# KiCad board Rogelio Pineda part 9-AMLDC-2044B.kicad_pcb (continued)
## Routing (per net, layer and track width the routed paths; a pad name or vN(x,y) marks a point on that pad's centre or on a via; arc(x,y) is an arc through that point) (continued)
U4p10: length 144.2
  Top w0.15: 275.61,53.46 275.61,54.58 275.53,55.81 275.5,55.78 275.49,57.88 275.52,58.77 275.52,59.59 275.55,63.28 275.52,67.29 275.18,68.51 274.61,69.42 273.73,70.4 273.33,70.78 272.99,71.13 272.95,71.51 272.79,71.67 ; 275.61,53.36 275.7,52.18 275.89,51.98 276.44,50.96 277.19,50.03 277.85,48.8 277.85,48.33 278.08,48.11 277.92,44.75 276.97,44.14 275.51,44.35 274.68,44.95 274.51,45.25 274.27,45.71 274.16,46.4 274.41,47.18 ; 271.92,73.92 271.74,72.78 272.33,72.09 272.79,71.67 ; 271.92,73.92 271.74,73.75 UV4.10 272.6,71.67 272.79,71.67 ; 271.92,73.92 271.97,74.28 272.14,75 272.51,76.9 272.52,77.29 272.92,80.42 272.92,82.21 273,82.93 273,84.13 273.08,86.38 273.09,87.54 273.07,94.28 272.74,95.39 271.87,97.04
  Bottom w0.15: UW5.12 308.35,53.94 307.68,53.06 306.07,51.89 305.48,51.67 304.56,51.45 299.28,51.23 298.03,51.15 296.11,50.91 295.03,50.74 294.06,50.63 292.24,50.53 291.44,50.53 288.93,50.58 287.7,50.61 286.96,50.56 286.16,50.43 285.5,50.18 284.89,49.81 283.91,49.08 282.98,48.02 282.38,47.29 281.9,46.62 280.92,45.59 280.3,44.97 279.19,44.2 277.49,43.88 276.22,43.93 274.54,44.74 274,45.69 274.41,47.18 273.48,47.55 271.73,49.15 268.92,49.82 267.76,50.18 266.03,50.76 262.88,51.11 259.55,50.96 254.76,51.56 253.06,52.18 251.07,53.15 249.53,54.06 247.94,55.23 245.91,56.74 244.94,57.11 243.29,57.25 242.05,58.14 241.52,58.05 240.53,57.36 239.9,56.74 UW3.10
U5p2: length 17
  Top w0.2: UU5.2 300.25,88.08 299.84,87.36 299.37,85.74 299.23,84.73 299.36,82.82 299.37,81.63 300.11,77.18 300.37,75.73 300.7,74.16 300.7,73.55 UV5.15
U5p3: length 23
  Top w0.2: UU5.3 302.96,88 302.56,87.28 302.04,86.32 301.77,85.87 301.5,85.22 301.3,84.7 301.23,83.96 301.53,82.57 302.11,81.69 302.1,81.6 302.46,81.18 302.94,80.85 303.52,80.23 304.74,79.34 305.83,78.75 306.54,78.27 306.59,78.28 307.2,77.94 307.68,77.63 308.21,77.36 308.65,77.07 309.64,76.24 310.27,75.65 312.02,74.22 312.16,74.05 313.01,73.52 313.01,72.79 UV5.10
U5p4: length 526.7
  Top w0.15: v1(335.76,250.33) 335.55,251.5 335.45,251.98 335.36,252.25 335.51,282.51 335.24,294.59 335.55,297.86 335.87,298.56 336.04,299.78 336.18,300.12 336.29,301.43 336.39,301.85 336.54,302.56 336.75,303.47 336.88,304.23 336.99,305.33 336.99,305.95 337.2,316.7 336.94,318.16 336.75,320.3 336.56,320.98 336.35,323.35 336.1,324.55 v1(336.02,325.01) ; v1(331.64,265.88) 331.47,265.71 331.43,175.47 331.09,173.76 330.82,171.29 330.49,169.74 330.37,169.11 330.09,167.93 329.98,166.86 329.82,166.15 329.45,163.81 329.15,162.74 328.84,161.01 328.45,159.75 328.39,158.99 328.03,157.6 327.82,156.19 327.74,154.36 327.56,147.06 327.37,117.66 327.37,107.12 327.34,106.48 327.46,105.63 327.49,104.91 327.65,102.12 328.02,96.26 328.23,94.2 328.41,91.96 328.6,89.95 328.74,88 328.88,86.8 329.13,83.08 329.31,82.9 v1(329.31,82.86) 329.34,82.86 329.4,82.8
  Bottom w0.15: 293.84,324.6 294.86,324.81 296.14,324.92 308.7,324.8 311.06,324.76 313.68,324.74 314.99,324.79 317.21,324.75 319.01,324.64 319.06,324.69 326.35,324.75 328.58,324.83 330.1,324.94 330.9,324.97 332.27,325.07 334.4,325.14 335.28,325.1 v1(336.02,325.01) ; v1(331.64,265.88) 331.68,265.92 332.09,265.57 332.25,265.41 332.38,265.25 334.26,263.13 335.17,260.71 335.2,259.06 335.16,258.03 335.14,254.68 335.34,252.77 v1(335.76,250.33) 336.38,250.8 337.63,250.71 338.68,250.58 339.7,250.43 341.35,250.37 344.27,250.34 345.4,250.33 345.98,250.35 346.66,250.38 347.83,250.42 349.86,250.39 350.76,250.39 352.71,250.65 354.05,251.03 357.19,251.18 358.28,251.2 361.52,251.32 363.65,251.45 364.71,251.56 367.07,251.73 368.4,251.77 369.26,251.8 372.9,251.51 375.64,251.88 376.26,252.13 377.14,252.37 378.22,252.77 UK7.1 ; v1(329.31,82.86) 328.39,82.53 326.59,82.14 325.34,81.93 324.42,81.86 322.75,81.86 322.06,81.89 321.02,81.93 317.38,81.99 316.42,81.96 314.9,82.01 313.93,82.18 312.1,82.71 310.09,83.88 308.69,84.83 307.8,85.65 307.56,85.99 307.07,86.6 306.13,87.76 UU5.4
  Bottom w0.2: 294.02,324.61 292.82,324.5 284.11,324.15 282.32,324.06 276.99,324.28 265.67,325.56 261.42,325.58 260.62,325.59 256.43,326.12 252.69,327.18 249.94,327.92 246.42,328.63 239.08,328.49 235.93,328.25 230.51,328.07 224.67,327.61 218.67,327.45 211.15,326.94 176.5,327.2 167.82,327.33 161.97,327.07 159.81,326.11 UF1.5
U5p7: length 116.5
  Top w0.15: UV7.13 382.51,73.88 383.12,75.81 383.36,76.62 383.6,77.14 384.31,79.34 385.34,82.1 386.94,86.8 387.87,89.64 389.92,95.58 391.78,100.52 392.73,102.98 393,103.82 393.92,106.38 394.07,106.86 UT7.7
  Bottom w0.15: UV7.13 382.28,74.03 381.54,76.3 380.2,79.01 378.36,81.28 377.36,82.18 375.84,83.27 374.91,83.85 372.91,84.81 371.19,85.5 369.52,86.07 366.13,86.84 364.46,87.09 361.41,87.45 359.48,87.53 357.26,87.57 355.93,87.6 353.38,87.66 329.8,87.62 324.89,87.38 323.21,87.21 322.16,87.06 320.92,86.79 318.77,86.49 317.64,86.42 316.08,86.38 315.22,86.41 314.11,87.13 313.62,87.51 313.25,88.11 UU5.7
W0p1: length 363.1
  Top w0.15: v1(104.93,48.29) 104.93,48.64 105.09,48.83 105.08,51.09 105.15,51.17 v1(104.97,51.89) 105.28,52.21 105.28,62.74 105.41,64.28 105.14,68.73 104.57,70.1 104.19,70.95 103.9,71.43 103.67,71.77 103.38,72.87 103.4,73.99 104,77.05 104.18,78.23 104.25,79.53 104.23,80.08 104.19,81.16 104.31,89.18 104.2,90.29 103.4,93.24 103.05,94.07 102.74,94.88 102.45,96.06 102.59,98.03 102.65,98.44 102.97,99.36 103.28,100.92 103.53,103.44 103.45,106.3 103.43,107.03 103.27,108.04 103.18,108.95 102.88,109.87 102.42,111.19 102.26,111.79 102.07,112.58 101.7,113.6 100.94,115.88 100.82,116.4 100.67,117.14 100.42,118.75 100.39,119.28 100.45,120.5 100.93,122.22 101.05,122.81 101.22,124.39 101.45,125.89 101.56,127.77 101.83,152.09 101.5,158.32 101.34,159.19 101.03,162.43 ; 102.46,176.05 102.15,171.34 101.71,169.48 100.9,166.44 100.87,163.49 101.05,162.28 ; v1(103.69,368.83) 103.77,367.77 104.34,363.39 104.49,362.44 104.97,360.6 105.36,359.01 105.72,356.75 105.63,353.82 104.92,350.75 103.82,349.22 103.21,348.29 102.66,347.48 101.42,345.8 101.3,345.6 100.6,344.44 100.27,341.69 99.9,339.46 99.61,337 99.37,336.16 98.54,333.19 97.58,330.96 97.1,328.49 97.44,326 98.32,324.52 98.65,322.57 98.16,319.06 97.57,317.7 97.4,316.41 97.28,315.6 97.28,313.52 97.85,311.63 99.28,309.43 99.89,308.76 100.91,307.29 101.87,304.87 102.46,301.71 102.5,300.51 102.56,296.65 103.19,293.36 102.94,290.18 102.73,289.28 ; 102.46,175.79 102.33,179.7 102.11,184.48 101.58,185.89 101.24,187.8 101.38,188.91 v1(101.64,189.97) 101.78,190.11 102.07,191.42 102.41,192.4 102.96,194.8 103.18,195.16 103.65,198.12 103.7,198.48 103.66,200.65 103.65,201.17 103.45,203.87 103.42,204.89 103.33,206.4 103.26,206.58 102.94,208.99 102.87,209.99 102.7,212.43 102.69,212.99 102.49,215.27 102.42,216.37 102.44,217.78 102.5,218.84 103.06,220.95 103.53,222.26 103.92,226.23 104,226.74 104.69,230.16 104.86,231.09 105.11,232.83 105.83,236.92 106.22,240 106.37,241.23 106.55,244.74 106.62,245.94 106.79,258.93 106.83,259.43 106.57,262.42 104.85,265.86 103.98,267.09 102.8,269.74 102.61,271.01 102.53,271.87 102.51,287.09 102.49,287.19 102.6,288.68 102.76,289.43
  Bottom w0.15: UW0.1 109.45,48.02 108.93,47.5 108.81,47.62 105.45,47.62 105.15,47.82 v1(104.93,48.29) ; UD0.12 114.94,368.43 113.75,367.86 112.48,367.79 110.97,367.82 109.03,368.07 107.67,368.7 106.68,369.12 105.85,369.28 105.2,369.32 104.37,369.23 104.01,368.83 v1(103.69,368.83) ; UN0.3 114.75,189.34 114.32,190.07 113.65,190.53 112.66,190.57 111.01,190.65 110.03,190.62 108.06,190.54 104.37,190.44 103.44,190.2 102.66,190.07 v1(101.64,189.97)
W0p2: length 304.6
  Top w0.15: UT3.13 231.8,114.8 231.94,110.68 UT3.2 ; UT3.13 231.68,115.49 ; UT3.13 231.56,117.37 231.29,118.53 230.97,119.77 230.62,121.08 230.38,121.86 230.4,121.88 230.4,121.95 v1(230.35,122.01) 230.4,122.07 230.4,125.94 230.12,126.23 230.12,126.56 ; 231.44,161.46 231.13,160.7 230.99,159.96 230.82,159.41 230.51,157.98 230.44,157.41 230.28,156.69 230.28,148.51 230.3,148.43 230.37,143.52 230.14,138.84 229.99,134.09 230.04,132.47 230.08,126.56 230.12,126.56 ; 231.44,161.46 UP3.2 231.55,166.79 231.53,168.52 231.46,169.4 UP3.13 ; 231.44,161.46 231.35,161.12 ; 230.12,126.56 230.14,126.54 ; v1(130.51,122.93) 130.01,122.04 129.76,120.01 129.73,103.48 129.66,100.56 129.66,90.16 129.64,82.67 129.58,65.23 129.64,47.4 v1(129.94,45.38) ; UP3.5 239.08,163.68 238.86,163.9 UP3.10 ; UT3.5 239.35,112.08 239.31,114.01 UT3.10 ; 112.42,43.42 112.4,43.43 112.4,43.5 v1(112.39,43.52) 112.4,43.53 112.4,46.25 112.42,46.87 UW0.2
  Bottom w0.15: v1(112.39,43.52) 112.67,43.14 113.07,42.92 114.2,42.96 115.89,42.96 118.33,43.07 119.65,43.16 120.31,43.21 122.33,43.3 125.3,43.59 127.22,43.92 ; UP3.2 232.03,160.93 232.81,160.29 233.13,160.12 233.99,160.02 235.01,160 235.62,159.91 236.17,159.98 238.26,160.22 238.92,160.93 UP3.5 ; 127.22,43.92 127.28,43.92 ; 127.22,43.92 127.99,44.07 128.97,44.46 129.49,44.63 129.83,45.01 v1(129.94,45.38) ; v1(130.51,122.93) 131.53,122.57 132.55,122.57 134.36,122.62 135.6,122.57 137.18,122.35 141.04,122.26 143.47,122.04 145.25,122.06 146.52,122.06 148.64,121.83 154.65,121.3 159.12,120.84 163.43,120.04 166.31,119.5 169.05,118.42 171.46,117.37 173.44,116.47 175.56,115.51 177.18,114.78 179.06,113.87 180.5,113.26 181.43,112.91 183.38,112.25 184.86,111.87 189.3,111.82 190.33,111.85 193,111.9 195.3,111.84 201.15,111.95 202.93,111.88 205.34,111.92 206.7,111.91 211.69,112.1 213.56,112.77 214.69,113.33 215.79,114.02 216.29,114.3 217.33,114.89 218.2,115.41 219.27,116 220.61,116.83 221.75,117.5 224.07,118.87 225.83,119.88 227.47,120.71 228.76,121.34 229.47,121.68 229.6,121.9 v1(230.35,122.01) ; UT3.2 232.05,107.43 232.78,106.62 233.31,106.3 233.99,106.04 236.13,105.89 237.54,105.96 238.04,106.24 238.5,106.6 239.02,107.58 UT3.5
W0p4: length 94.2
  Top w0.15: v1(133.04,106.46) 132.78,106.2 132.67,68.52 132.63,65.15 132.68,64.73 132.68,48.07 v1(132.69,48.06)
  Bottom w0.15: UW0.4 117.56,47.02 118.03,46.19 118.62,45.73 119.29,45.33 121.21,44.86 124.7,44.68 125.34,44.92 126.34,45.46 127.29,46.27 129.21,47.46 131.24,47.63 131.87,47.58 v1(132.69,48.06) ; UT0.4 117.54,107.89 118.21,106.91 118.31,106.78 119.7,106.18 131.78,106.04 v1(133.04,106.46)
W0p6: length 234.1
  Top w0.15: UU1.3 152.95,88.93 152.56,88.35 151.65,87.22 151.43,86.84 150.73,85.97 150.44,85.44 150.06,84.77 150.03,83.39 150.32,81.77 150.58,80.79 150.64,80.29 151.19,78.75 151.49,77.82 151.81,76.8 152.08,75.33 152.08,69.74 152.25,69.13 152.8,67.69 152.98,66.96 UV1.3 152.86,65.4 152.99,64.4 152.48,63.69 152.03,62.22 151.89,60.89 152.03,55.08 151.82,52.25 151.39,51.04 151.36,50.98 151.3,50.63 151.27,50.2 150.92,49.19 150.71,47.76
  Bottom w0.15: UW5.4 306.06,46.97 306.1,45.75 306.04,45.46 305.68,44.91 305.08,44.56 304.51,44.46 304.09,44.39 303.61,44.35 301.4,44.25 299.32,44.17 296.68,43.49 295.01,42.95 291.24,41.27 289.91,41.23 288.19,41.65 287.25,42.07 285.49,42.4 281.83,41.96 279.38,41.65 276.96,41.61 274.39,41.82 272.03,41.9 264.75,42.02 263.18,42.14 262.1,42.14 259.64,42.2 258.05,42.24 254.02,42.26 250.17,42.22 244.06,42.05 236.72,42.82 235.17,42.81 226.59,42.81 223.82,42.83 219.29,42.79 216.97,42.79 208.16,42.67 206.85,42.7 199.61,42.74 198.82,42.91 197.04,42.96 195.5,43.1 192.96,43.27 189.57,43.32 188.47,43.19 186.91,43.09 184.35,42.97 181.05,42.77 178.88,42.72 171.91,42.31 165.84,42.3 164.79,42.35 162.25,42.33 160.96,42.59 159.05,42.97 155.96,43.66 154.06,44.35 152.11,45.35 151.09,46.37 150.71,47.76 149.48,48.89 147.79,49.41 146.55,49.56 144.69,49.59 143.22,49.67 133.89,49.9 132.42,49.98 125.59,50.17 124.73,49.88 124.25,49.56 123.57,48.95 UW0.6
W0p8: length 189.5
  Bottom w0.15: 138.01,52.16 139.74,51.83 140.78,51.7 141.7,51.52 143.83,51.17 145.39,50.97 148.13,50.96 149.61,50.88 150.44,50.83 151.75,50.35 151.96,50.18 152.46,49.49 152.72,48.97 UW1.3 153.32,46.3 153.97,45.82 155.55,45.02 156.44,44.71 158.47,44.03 160.14,43.71 162.01,43.49 163.42,43.35 164.21,43.32 175.97,43.48 177.45,43.53 178.02,43.57 179.28,43.66 181.14,43.71 182.43,43.77 183.31,43.9 186.28,44.07 188.43,44.27 190.18,44.34 191.73,44.33 192.51,44.28 195.04,44.22 196.05,44.08 196.74,43.91 199.48,43.66 200.82,43.66 206.5,43.6 208.51,43.76 211.49,43.8 212.51,43.79 214.57,43.85 217.38,44 219.33,44.02 224.3,44.08 225.19,44.02 225.83,44.03 238.15,44.08 239.93,44.04 243.56,43.22 249.19,43.3 252.3,43.34 254.72,43.32 257.52,43.32 264.88,43.18 266.65,43.12 270.5,42.9 272.37,42.77 274.02,42.73 275.8,42.79 277.81,42.75 279.08,42.96 281.44,43.4 285.5,44.59 287.1,44.83 288.98,45.32 290.28,45.71 292.57,46.95 293.6,47.44 295.76,48.27 297.57,48.84 298.72,48.9 300.16,48.99 302.04,48.99 305.65,49.19 306.59,48.92 306.93,48.63 307.37,48.33 UW5.5 ; 138.01,52.16 138.09,52.16 ; 138.01,52.16 136.35,52.51 135.18,52.72 132,53.31 129.94,53.83 128.66,54.11 127.62,54.32 126.2,54.75 UW0.8
W0p10: length 148.4
  Top w0.15: UU1.10 158.89,96.41 159.1,95.75 159.61,94.25 159.74,84.5 159.71,84.42 159.73,84.09 159.64,82.13 159.46,81.14 159.35,79.96 159.2,79.04 159.15,78.29 158.82,77.11 158.72,75.95 158.33,74.35 UV1.10 158.96,72.47 159.36,71.84 160.32,70.75 160.92,70.13 161.24,69.79 162.01,68.62 162.06,54.28 162.11,53.8 162.22,53.67 162.47,52.71 163.03,51.96 163.52,51.35 164.04,50.59 164.34,50.06 164.63,47.39 164.62,46.09 164.42,45.67 164.3,45.49 163.94,45.19 163.66,45.17 163.22,45.11 162.38,45.31 161.4,46.19 161.25,46.38 161.06,46.58 UW1.6
  Bottom w0.15: UW0.10 120.31,56.84 121.03,57.46 121.63,57.71 122.16,57.82 123.35,57.8 123.82,57.83 126.43,57.69 128.9,57.27 130.57,56.9 134.15,55.99 136.57,55.28 138.51,54.71 139.85,54.22 140.94,53.87 143.85,52.94 145.9,52.29 147.2,52.14 149.53,51.99 151.44,52 154.33,52.01 156.1,52.08 156.96,51.99 157.88,51.56 159.17,50.64 159.86,49.46 160.39,48.54 UW1.6 161,46.62 161.44,46.15 162.38,45.68 164.11,45.46 164.8,45.35 165.06,45.35 166.38,45.32 166.95,45.41 168.36,45.6 171.11,46.12 172.94,46.82 174.78,47.61 175.45,47.89 176.75,48.4 179.51,49.32 180.92,49.8 182.25,50.11 183.28,50.4 183.92,50.54 185.73,50.64 193.76,50.68 195.86,50.7 197.56,50.7 198.81,50.5 199.35,50.18 200.37,49.03 200.67,48.72 UW2.6
W0p12: length 144.2
  Top w0.15: UU1.4 155.96,88.74 156.27,88.2 156.39,87 156.56,85.79 156.79,84.93 156.87,84.05 156.93,82.22 156.99,81.14 157.03,78.93 157,77.33 157.09,71.76 157.03,71.24 156.91,70.32 156.83,69.68 156.49,68.53 156.07,67.18 ; 156.17,67.38 155.79,66.62 155.79,65.8 155.87,64.61 156.08,63.75 156.62,62.73 157.11,61.96 157.59,61.08 158.24,60.25 158.46,59.79 159.36,58.15 159.46,53.4 159.63,52.55 160.28,51.52 160.63,51.09 161.19,50.37 161.7,49.92 UW1.7
  Bottom w0.15: UW1.7 163.19,48.86 163.19,53.09 163.07,53.21 ; 163.07,53.21 161.9,53.27 150.54,53.26 148.64,53.21 147.46,53.39 146.62,53.62 144.92,54.06 143.4,54.64 142.42,54.94 141.19,55.41 140.17,55.76 138.6,56.45 136.79,57.08 135.31,57.58 132.56,58.19 131.82,58.33 127.97,58.77 125.82,58.9 123.86,59.01 121.3,59.04 119.14,59.11 117.8,58.8 116.74,58.06 116.3,57.66 115.43,56.52 UW0.12 ; 163.07,53.21 163.16,53.3 167.33,53.19 168.68,53 173.79,52.78 174.88,52.74 175.56,52.66 177.96,52.41 179.16,52.29 180.56,52.21 182.12,52.14 183.06,52.37 185.05,52.9 186.32,53.19 188.03,53.17 190.07,53.12 190.89,53.09 193.27,52.83 194.51,52.64 197.83,52.04 199.83,51.87 201.55,51.4 202.09,50.78 202.88,49.68 203.18,49.11 UW2.7
W1p16: length 194.4
  Top w0.15: v1(177.71,202.14) 177.44,199.98 177.53,199.21 177.32,196.5 177.3,194.01 177.09,187.02 177.06,184.78 176.96,177.98 176.93,176.66 176.92,171.78 177.21,168.99 177.66,165.93 177.65,164.4 177.47,163.02 177.22,159.92 176.98,156.93 176.95,154.5 176.85,120.96 176.9,119.45 176.73,117.36 176.72,117.35 176.72,115.33 176.58,114.68 176.39,112.7 176.31,112.2 176.26,111.19 175.86,108.84 175.69,107.47 175.72,106.6 175.52,105.41 175.66,104.09 175.7,103.5 175.73,102.61 176.46,99.02 176.42,84.74 176.7,78.16 176.93,75.78 177.25,74.39 177.35,70.4 177.25,68.75 176.73,66.4 176.31,65.1 176.07,64.03 175.69,62.95 174.68,59.96 v1(174.68,59.95)
  Bottom w0.15: UW1.16 148.68,56.4 149.15,57.24 150.47,58.56 151.61,58.85 152.62,58.9 155.57,59.06 156.82,59.12 157.57,59.18 158.21,59.18 158.89,59.24 161.2,59.47 162.38,59.62 163.41,59.76 164.71,60 166.57,60.26 166.88,60.31 167.75,60.47 169.37,60.48 170.59,60.46 171.96,60.3 171.99,60.26 172.9,60.09 173.87,59.84 v1(174.68,59.95) ; v1(177.71,202.14) 178.43,201.89 178.8,201.77 179.1,201.7 179.71,201.49 180.33,201.26 180.73,201.08 181.57,200.85 182.11,200.76 184.14,200.71 184.71,200.71 185.36,200.71 189.54,200.68 189.93,200.67 192.77,200.65 194.37,200.76 196.64,201.3 198.64,202.86 UM2.5
W2p9: length 16.5
  Top w0.15: UW2.3 194.03,48.64 194.51,49.33 195.1,49.8 195.69,50.1 198.84,50.67 199.35,50.65 200.27,50.78 200.93,50.88 202.24,50.98 203.72,51.31 204.25,51.61 205.06,52.15 205.45,52.68 206.06,53.69 206.27,54.09 206.36,55.15 UW2.9
W2p10: length 16.4
  Top w0.15: UW2.2 191.42,48.66 192.12,49.85 192.4,50.22 192.97,50.72 194.35,51.19 195.1,51.48 199.1,51.98 200.02,52.2 201.87,52.67 203.51,53.96 203.58,54.91 UW2.10
W3p6: length 156.5
  Top w0.15: 264.25,47.18 264.6,48.59 264.72,49.49 264.91,50.1 265.29,51.2 265.48,52.78 265.59,54.57 265.58,57.89 265.57,58.63 265.57,60.24 265.41,61.68 265.88,62.94 265.97,63.27 266.28,63.77 ; UU4.3 266.79,88.22 266.22,84.8 266.01,83.32 265.66,80.66 265.66,78.1 265.56,78 265.56,72.77 265.55,72.31 265.48,70.23 265.7,68.41 266.01,67.3 266.28,66.81 266.46,66.05 ; 266.46,66.05 266.66,65.16 266.46,64.06 266.28,63.77 ; 266.46,66.05 266.46,65.11 UV4.3 266.28,64.52 266.28,63.77
  Bottom w0.15: 264.25,47.18 263.61,48.13 262.41,48.82 261.45,48.97 259.96,48.84 259.36,48.86 257.44,48.43 255.88,47.95 254.19,47.72 252.4,47.82 250.79,47.92 249.22,48.21 247.55,48.56 245.92,48.8 243.81,48.93 243.34,48.87 242.86,48.68 242.47,48.64 UW3.6 ; UV4.3 267.09,63.31 268.69,62.37 269.8,62.23 275.68,62.02 277.06,62.56 278.39,64.18 278.88,64.72 280.05,66.2 281.65,67.19 283.03,67.52 284.45,67.5 286.29,67.48 287.58,67.34 289.65,66.96 290.77,66.53 292.02,65.95 292.99,65.41 294.1,64.7 295.25,63.95 298.74,61.56 301.93,60.96 305.91,60.84 321.25,60.99 327.24,61.65 330.19,62.63 332.6,63.69 333.39,64.18 334.99,64.96 339.45,67.09 341.7,67.86 343.16,67.69 344.13,66.86 344.53,66.42 344.95,65.94 UV6.2
W3p8: length 197.2
  Top w0.15: 254.2,50.02 254.2,50.12 v1(254.25,50.17) 254.2,50.22 254.2,51.19 254.38,51.89 254.56,54.47 254.61,55.1 254.9,57.87 255.04,59.42 255.2,69.82 255.05,71.2 254.88,74.54 254.67,76.65 254.35,78.61 254.01,80.27 253.87,82.13 253.74,85.54 253.59,117.21 253.57,119.9 252.93,145.35 252.97,154.67 253.41,160.48 253.71,161.72 v1(253.81,162.64) ; UU4.11 268.89,95.97 268.5,94.93 268.18,93.83 268.13,93.35 268.08,91.92 268.19,85.59 268.25,84.45 268.22,83.35 268.27,82.45 268.28,81.59 268.35,80.34 268.62,77.54 268.7,77.25 268.96,75.43 269.1,74.84 269.2,73.97 269.2,73.8 ; 269.2,73.8 UV4.11 ; 269.2,73.8 269.2,72.78 268.82,71.72 268.14,70.15 268.06,69.55 267.99,69.31 268.09,65.24 268.04,62.17 268.04,60.48 268.01,59.06 268.07,58.43 268.15,57.71 267.97,54.99 267.91,53.37 267.74,52.03 267.63,51.39 267.27,49.87 267.08,47.47 UW4.3
  Bottom w0.15: UW3.8 245.44,54.28 245.83,53.75 246.91,52.88 249.5,51.06 250.88,50.63 253.34,50.53 v1(254.25,50.17) 254.47,49.73 255.15,49.57 256.79,49.73 257.9,49.76 259.01,49.97 260.3,49.97 261.93,49.92 263.33,49.72 264.28,49.46 265.01,48.89 265.51,48.49 266.01,47.91 UW4.3 ; UP4.1 258.01,162.19 255.19,162.27 v1(253.81,162.64)
WALLOUT: length 286.1
  Top w0.15: UF2.5 198.74,323.19 199.05,322.88 199.73,321.97 200.41,320.99 202.54,318.05 202.54,318 v1(202.57,317.97) 202.54,317.95 202.54,317.84 ; UH5.9 311.29,296.04 311.18,296.83 310.89,297.5 310.66,298.31 310.4,299.59 310.28,300.6 310.16,304.72 310.17,310.83 310.01,313.87 310.01,314.23 309.39,314.98 308.28,315.43 306.78,316 305.72,316.25 304.61,316.49 303.67,316.57 302.89,316.76 301.45,317.46 300.57,318.19 300.31,318.51 299.53,319.4 299.12,320.23 UF5.1 299.07,322.39 299.29,322.98 299.66,324.12 300.04,325.05 300.34,326 300.75,326.78 300.94,327.42 301.19,327.71 UF5.13 ; 92.72,308.57 v1(92.69,308.57) 92.72,308.32 91.95,308.15 90.85,307.12 89.72,305.92 89.45,305.4 88.67,304.33 87.13,302.31 86.36,301.37 85.61,300.27 85.08,299.39 84.66,298.71 83.91,297.5 82.95,295.01 82.42,293.94 82.11,293.17 81.53,291.93 80.69,290.78 80.04,289.77 J1.65
  Bottom w0.15: UF2.5 198.64,322.64 196.73,321.72 194.16,321.32 187.1,320.93 179.1,320.58 174.48,320.53 162.54,320.29 158.02,320.57 155.07,320.59 153.15,320.2 151.56,320.12 147.88,320.41 146.54,320.84 144.8,321.23 143.63,321.67 141.82,322.11 140.65,321.94 139.51,321.51 136.62,320.17 134.19,319.23 132.55,319 131.32,318.82 128.88,318.54 128.09,318.41 126.34,318.28 124.71,318.25 111.24,317.93 110.09,317.84 107.25,317.78 104.55,317.42 101.01,316.49 99.11,315.46 98.5,314.76 96.37,311.92 95.59,310.86 95.2,310.25 94.42,309.41 93.98,308.88 93.33,308.57 v1(92.69,308.57) ; UF5.1 296.67,320.37 294.68,320 293.26,319.57 291.81,319.16 289.98,318.84 288.09,318.24 284.93,317.82 281.48,317.27 270.36,317.2 259.6,317.45 249.88,317.77 227.51,317.88 v1(202.57,317.97)
WB6: length 293.6
  Bottom w0.15: UK5.4 305.42,237.45 305.16,236.93 304.37,235.87 303.85,235.25 303.25,234.59 302.18,233.95 301.16,233.75 299.83,233.71 293.55,233.86 292.42,233.99 290.76,234.53 289.19,235.48 288,236.07 285.2,238.39 282.32,239.87 279.48,241.19 275.54,242.14 268.7,242.84 260.7,242.61 259.89,242.37 257.69,241.88 255.57,241.06 252.22,239.94 250.37,239.05 248.68,238.4 247.04,237.68 243.46,236.84 240.97,236.29 236.05,235.28 232.98,234.71 228.47,233.93 224.69,233.79 218.9,233.73 216.36,233.72 203.16,233.56 200.92,233.28 196.93,232.98 193.77,232.75 173.72,232.57 171.41,232.52 162.85,232.52 145.01,232.4 125.96,231.84 120.97,231.4 114.9,231.18 112.89,230.84 109.9,229.76 107.02,227.36 106.17,226.31 103.41,222.56 102.41,220.81 100.67,217.88 99.78,216.29 96.82,211 95.94,208.85 94.75,206.11 93.83,203.94 93.3,202.44 92.48,200.14 91.48,198.16 90.49,196.69 89.62,195.21 88.99,194.14 88,191.87 86.96,188.4 86.32,186.25 85.92,183.56 85.45,180.93 85.12,173.13 85.21,170.93 85.23,168.51 85.29,167.36 85.32,164.75 85.3,158.63 85.34,156.91 85.06,154.84 84.62,153.51 83.94,152.74 82.39,151.85 80.72,151.69 J2.34
WL: length 332
  Top w0.15: v1(85.45,150.05) 89.7,150.25 v1(90.48,150.47) ; v1(216.39,174.59) 216.46,174.65 216.46,183.97 216.47,187.09 216.63,192.2 216.7,192.88 216.49,196.05 216.52,196.55 216.2,198.66 216.01,201.17 215.89,203.21 216.06,208.55 215.94,211.79 215.88,220.16 ; v1(220.07,245.02) 219.79,242 219.7,241.12 219.09,236.21 218.7,233.4 217.46,227.58 216.75,224.32 215.88,219.79
  Bottom w0.15: 89.58,173.68 89.55,173.7 89.92,176.28 90.83,176.97 90.83,176.98 92.95,177.87 98.12,178.55 103.82,178.91 109.96,179.38 114.29,179.63 134.94,179.2 136.67,179.22 137.53,179.14 144.3,178.74 146.21,178.64 153.28,178.35 153.87,178.29 158.91,178.06 160.09,178.02 160.81,177.92 170.98,177.6 172.81,177.38 180.13,177.28 184.14,176.45 189.95,176.24 191.45,176.28 196.83,176.26 199.04,176.2 204.97,176.29 210.55,175.96 212.42,175.51 213.51,175.15 214.85,174.85 216.02,174.59 v1(216.39,174.59) ; 89.58,173.68 89.6,170.7 90.01,165.27 90.26,151.18 90.38,150.94 v1(90.48,150.47) ; 89.58,173.68 89.58,173.74 ; v1(220.07,245.02) 221.75,245.12 223.78,245.32 225.66,245.62 227.34,245.75 230.47,246.11 232.66,246.32 234.66,246.36 235.88,246.45 242.95,246.56 244.49,246.68 246.14,246.68 248.22,247.06 249.74,247.45 252.61,248.52 255,249.35 257.8,250.55 259.66,251.17 261.37,251.45 263.6,251.33 264.77,251.24 271.1,250.86 275.08,250.03 276.88,249.62 278.38,249.21 279.65,248.92 282.11,248.46 283.84,248.71 285.49,249.27 286.78,249.61 288.62,249.96 291.36,250.63 293.14,250.98 294.32,251.17 296.86,251.44 297.9,251.43 300.96,251.51 302.58,251.54 304.14,251.57 305.09,251.38 305.77,250.96 306.68,250.24 307.39,249.15 307.84,248.4 308.1,247.81 UK5.10 ; v1(85.45,150.05) 84.73,149.73 84,149.43 83.32,149.01 82.59,148.76 81.79,148.57 80.51,148.38 J2.36
~{DATA0}: length 316.8
  Top w0.15: v1(85.72,124.32) 86.1,123.46 86.32,122.36 87.21,119.97 87.38,119.07 87.66,116.54 87.76,115.97 87.69,115.53 87.74,114.44 87.72,113.42 87.62,111.55 87.22,110.19 86.96,109.17 86.09,108.06 84.95,107.46 84.69,107.28 83.78,107.08 v1(82.41,107.01) ; UR3.8 243.89,153.96 243.13,156.87 243.06,157.88 242.93,158.38 242.85,161 242.67,166.65 243.24,168.39 UP3.8 243.58,173.37 243.34,175.29 243,178.48 242.98,180.31 242.92,182.1 242.82,182.82 242.81,186.36 242.74,187.23 242.76,191.94 242.01,194.21 UN3.9 241.56,196.66 241.76,197.19 242.01,197.93 242.67,201.23 242.76,203.97 242.77,205.56 242.73,206.79 242.76,207.59 242.71,208.01 243.27,209.93 UM3.8 244.06,212.71 243.31,213.55 243.04,215.25 242.73,216.23 242.8,217.89 242.83,219.14 242.88,219.19 242.83,224.9 243.43,226.83 UL3.8
  Bottom w0.15: UN3.9 241.26,194.41 240.51,193.74 240.16,193.58 239.57,193.3 237.19,192.72 236.21,192.49 233.85,192.01 232.07,191.75 227.84,191.13 225.89,190.8 223.31,189.73 221.14,188.55 219.24,187.42 217.69,186.33 216.34,185.37 215.68,185.02 212.29,183.31 204.18,183.02 187.57,182.75 184.03,182.68 182.65,182.56 180.73,182.28 178.51,181.99 177.77,181.81 174.43,181.18 172.53,180.91 168.09,180.32 166.37,180.11 163.49,179.92 162.07,179.85 159.28,179.98 158.5,180.06 157.56,180.16 153.95,180.46 153.24,180.55 152.09,180.67 149.49,180.81 148.05,181.01 142.48,181.47 140.93,181.62 131.28,182 127.67,182.28 118.1,182.65 117.35,182.65 116.18,182.65 112.64,182.47 111.56,182.28 106.26,181.71 104.86,181.49 99.96,181 96.14,180.83 92.32,180.49 90.94,179.98 89.54,179.25 88.57,178.04 87.2,174.2 87.4,160.75 87.42,153.34 87.53,147.26 87.52,141.53 87.3,136.15 87.25,135.47 87.38,133.86 87.38,130.04 85.8,127.21 85.79,125.94 v1(85.72,124.32) ; v1(82.41,107.01) 82.04,106.83 81.5,106.56 J2.62
~{DATA1}: length 330.2
  Top w0.15: 90.69,98.76 90.3,98.39 89.76,97.96 88.52,97.41 85.98,97.26 84.25,97.81 83.05,98.25 80.72,99.41 79.71,100.42 J2.65 ; 86.91,126.61 v1(86.88,126.68) 87.07,126.61 88.41,125.26 88.7,124.85 88.88,124.55 89.89,123.57 90.88,122.04 91.41,119.95 91.34,117.79 91.33,116.71 91.3,116.24 91.12,114.98 91.04,113.84 90.83,112.12 90.81,111.28 90.91,109.7 90.96,107.87 91.06,106.94 91.11,106.08 91.33,104.69 91.69,102.59 91.73,100.07 90.75,98.77 ; UR3.6 241.68,144.52 241.27,145.67 241.15,146.03 240.51,149.19 240.4,150.24 240.28,151.58 240.15,155.47 240.1,156.83 240.37,158.94 240.75,160.46 UP3.6 241.62,163.09 241.07,164.08 240.54,165.87 240.28,166.9 240.11,169.46 240.19,169.88 240.25,179.62 240.29,181.34 240.21,183.72 239.92,184.56 239.75,185.52 239.45,186.31 UN3.5 239.36,189.14 239.61,189.93 239.91,190.79 240.27,191.71 240.34,191.95 240.25,193 240.21,194.99 240.28,196.89 240.28,196.53 240.26,200.96 240.89,202.81 UM3.6 241.52,205.15 240.88,205.59 240.37,207.35 240.34,207.38 240.27,210.1 240.18,211.15 240.28,212.81 240.22,214.39 240.21,217.42 240.97,219.39 UL3.6
  Bottom w0.15: UN3.5 238.68,189.23 236.92,190.41 232.98,190.55 231.67,190.5 230.45,190.38 226.81,189.86 224.96,189.15 221.04,186.95 219.38,185.97 217.87,185.13 213.4,182.53 211.49,182.12 210.55,182.06 206.4,181.86 202.19,181.8 189.05,181.5 187.18,181.52 182.51,181.06 179.17,180.55 172.87,179.66 167.85,178.98 164.8,178.95 164.01,178.9 161.71,178.84 158.36,178.92 151.87,179.63 143.78,180.03 134.26,180.68 126.55,181.09 124.84,181.21 114.29,181.18 113.36,181.03 112.06,180.89 108.76,180.68 107.52,180.59 105.96,180.45 103.73,180.27 102.26,180.12 97.82,179.79 94.3,179.56 92.16,179.29 91.25,178.83 90.47,178.23 90.03,177.82 89.48,177.11 89.1,176.45 88.78,175.73 88.6,175.17 88.5,173.33 88.54,172.36 88.65,158.82 88.69,145.82 88.91,141.34 88.92,138.78 88.67,131.72 87.47,126.68 v1(86.88,126.68)
~{DATA2}: length 345.8
  Top w0.15: UR3.11 236.54,153.56 236.34,154.04 235.99,155.3 235.7,156.72 235.41,158.65 235.31,159.84 235.26,166.61 235.9,168.96 UP3.11 236.33,171.69 236.16,172.02 235.73,176.53 235.6,177.34 235.51,180.11 235.45,180.99 235.34,186.01 235.25,191.05 235.39,192.71 UN3.11 236.48,196.75 236.15,197.17 235.69,199.27 235.26,200.98 235.3,206.8 235.34,207.45 235.34,208.83 235.97,210.72 UM3.11 236.22,212.14 236.22,213.13 235.38,214.7 235.24,216.37 235.27,218.13 235.28,225.41 235.6,226.92 235.9,227.77 UL3.11 ; 83.67,72.46 83.5,72.29 v1(83.15,72.27) 83.13,72.29 ; 83.67,72.46 84.72,72.78 85.05,73.04 86.67,73.9 86.96,74.07 87.31,74.29 87.69,74.49 88.59,75.1 89.17,75.39 90.05,75.98 90.69,76.42 92.15,77.58 94.5,79.98 95,80.63 95.9,81.64 96.91,83.14 97.91,84.45 98.4,85.34 99.49,86.91 100.16,88.11 101.02,89.82 101.45,90.97 101.52,91.04 101.76,92.02 101.74,92.27 101.85,92.97 101.44,95.11 101.36,95.61 101.2,96.4 101.45,98.14 101.69,98.89 101.88,100.28 102.04,100.83 102.16,101.38 102.28,101.96 102.3,102.58 102.41,103.22 102.51,105.04 102.5,105.71 102.47,106.39 102.31,107.52 102.08,108.51 101.82,109.59 101.45,110.44 101.18,111.76 100.82,112.7 100.46,113.89 100.07,114.92 99.49,117 99.42,118.12 99.35,119.42 99.43,120.14 99.4,120.67 99.63,121.64 99.63,122.23 99.89,123.27 100.19,125.09 100.43,126.22 100.48,126.94 ; 83.67,72.46 83.54,72.33 ; 100.48,126.94 100.49,127.58 100.74,146.02 100.66,146.1 100.6,154.79 100.54,155.61 100.33,158.39 100.29,159.3 100.11,161.06 99.99,162.37 99.89,163.16 99.88,163.44 99.76,164.53 99.81,165.34 100.08,167.96 100.9,171.56 101.07,173.3 101.17,174.45 101.23,176.2 101.13,179.23 100.75,182.02 v1(100.52,183.22) ; 100.48,126.94 100.47,126.76
  Bottom w0.15: v1(83.15,72.27) 82.56,72.57 80.82,73.83 80.02,75.02 J2.82 ; v1(100.52,183.22) 100.76,183.22 101.93,184 105.94,184.24 106.48,184.28 108.85,184.25 109.22,184.23 115.61,184.06 117.58,183.98 121.54,183.89 123.41,183.78 127.37,183.63 127.79,183.62 132.04,183.27 134.44,183.18 139.74,182.79 141.19,182.76 143.52,182.59 147.79,182.26 149.54,182 157.23,181.49 159.24,181.3 164.74,181.18 165.82,181.3 168.16,181.6 169.68,181.88 172.4,182.22 173.88,182.44 176.45,182.79 180.95,183.37 185.13,183.99 187.63,184.06 191.95,184.04 193.02,184.04 197.48,184.04 200.59,184.13 201.66,184.23 202.07,184.2 202.83,184.23 203.59,184.24 204.31,184.18 204.84,184.2 206.39,184.3 207.73,184.29 208.44,184.42 210.21,184.55 211.42,184.82 212.66,184.98 213.36,185.16 215.27,186.23 215.74,186.48 216.6,187.03 218.46,188.34 220.13,189.31 222.95,191.08 225.49,191.87 227.05,192.03 230.11,192.39 234.15,193.43 235.47,194.14 UN3.11
~{DATA3}: length 333.4
  Top w0.15: UL3.3 233.97,220.85 233.54,219.69 233.2,218.98 232.82,217.59 232.75,216.83 232.76,213.63 ; 100.09,185.29 v1(100.02,185.29) 99.65,184.79 99.51,184.62 99.24,184.31 99.1,183.9 99.24,182.48 99.34,182.16 99.5,181.39 99.74,180.12 99.78,179.8 99.91,179.02 100.11,177.96 100.16,177.24 100.16,174.87 100.18,174.41 100.13,173.67 99.95,171.87 99.87,171.24 99.65,169.96 99.6,169.76 99.39,169.11 99.25,167.71 99.19,167.48 99.04,166.86 98.88,163.52 98.93,162.76 99.16,160.87 99.17,160.04 99.29,159.09 99.51,154.47 99.46,153.71 99.47,153.11 99.65,144.56 99.63,144.35 99.54,140.29 99.59,134.8 99.55,133.73 99.49,130.14 99.45,129.76 99.51,128 99.11,125.87 98.96,124.68 98.58,122.5 98.48,120.36 98.48,120.06 98.4,119.46 98.41,119 98.5,117.11 98.71,116.19 99.16,114.8 99.49,113.65 100.07,111.96 100.52,110.27 100.91,108.98 101.22,107.83 101.39,105.54 101.33,104.18 101.01,101.24 100.78,100.14 100.63,99.1 100.4,98.1 100.28,97.17 100.27,95.98 100.29,93.38 100.31,92.39 100.04,91.1 99.07,89.46 97.13,88.9 95.32,88.57 91.76,88.15 89.33,87.96 83.83,87.78 81.4,87.68 J2.73 ; UR3.3 233.67,146.38 233.55,146.63 233.05,148.39 232.86,149.29 232.79,150.39 232.76,151.76 232.82,154.24 232.79,155.35 232.99,159.1 233.9,161.42 UP3.3 233.49,163.89 232.75,165.48 232.64,167.88 232.73,168.88 232.74,169.93 232.73,170.35 232.73,176.58 232.7,176.61 232.77,187.23 232.86,189.67 232.93,191.14 232.98,192.26 232.19,194.78 UN3.13 231.53,195.4 231.82,197.22 232.05,198.01 232.82,200.04 233.21,201.07 233.94,203.4 233.9,203.44 UM3.3 233.77,205.61 233.43,205.94 233.04,207.02 232.76,208.37 232.76,213.78
  Bottom w0.15: UN3.13 231.4,194.66 230.49,193.71 228.29,193.38 226.71,193.32 224.3,192.86 221.72,191.87 219.42,190.45 214.88,187.12 213.46,186.39 209.89,185.37 204.5,185.27 202.87,185.26 201.78,185.26 193.86,185.26 193.81,185.21 185.11,185.21 182.56,184.97 178.48,184.5 172.17,183.27 168.32,182.69 165.82,182.45 163.99,182.31 155.59,182.78 153.99,182.93 151.21,183.25 149.64,183.44 145.23,183.8 139.97,184.27 136.03,184.62 134.34,184.75 129.3,185.01 128.23,185.05 127.22,185.05 115.46,185.25 114.16,185.24 109.51,185.36 107.5,185.36 106.39,185.3 106.13,185.3 105.02,185.27 102.32,185.3 100.86,185.42 v1(100.02,185.29)
~{DATA4}: length 277.8
  Top w0.15: US3.8 243.9,135.11 243.58,133.73 243.07,132.07 242.7,127.21 242.96,125.22 243.02,123.96 243.15,122.58 243.27,120.67 UT3.8 244.12,115.44 243.87,114.96 243.01,112.8 243.12,108.08 243.08,106.7 243.15,106.01 243.23,103.39 243.46,102.19 243.85,100.62 244.08,100.03 244.14,99.7 244.52,98.81 244.46,98.75 UU3.8 244.01,95.95 243.73,95.04 243.36,93.22 243.25,92.73 243.11,91.75 243.09,90.39 243.09,84.38 243.1,84.36 243.08,83.35 243.16,80.26 243.16,79.13 243.19,79.09 243.34,78.01 243.75,76.3 243.84,75.54 243.98,75.39 244.12,74.79 244.27,74.18 UV3.8 244.05,71.86 243.59,70.48 243.23,69.22 243.17,68.37 243.13,67.85 243.14,67.04 243.14,64.4 243.13,64.13 243.06,63.26 242.97,61.73 242.71,60.52 242.53,59 242.43,58.16 242.3,57.82 242.16,57.16 UW3.9 ; 85.87,105.83 85.89,105.85 v1(85.78,105.85) 85.78,105.74 85.63,105.59 84.63,105.44 83.51,105.36 83.16,105.31 82.62,105.38 81.27,105.52 79.92,106.77 J2.61
  Bottom w0.15: v1(85.78,105.85) 85.26,104.77 85.06,103.94 85.07,101.84 85.05,100.63 85.1,99.2 85.55,98.39 86.29,97.5 86.55,97.18 87.87,95.73 88.47,94.9 89.18,93.88 89.68,93.12 91.24,90.93 91.8,89.9 92.65,88.59 93.52,87.08 94.67,85.31 95.07,84.73 96,83.32 96.63,82.33 97.29,81.32 98.9,79.04 100.07,77.53 100.72,77.07 101.45,76.69 102.49,76.49 103.03,76.47 106.39,76.5 107.74,76.49 108.35,76.51 116.59,76.58 117.55,76.56 118.22,76.59 126.71,76.59 128.03,76.64 138.99,76.7 139.02,76.73 146.71,76.73 146.72,76.75 162.65,76.75 164.13,76.46 165.33,75.76 166.96,73.93 167.87,72.78 169.09,70.95 169.55,70.36 169.91,69.79 171.51,67.75 171.84,67.45 172.56,66.68 173.27,66.25 174.3,65.64 175.43,65.43 177.03,65.21 178.21,65.11 178.83,65.04 179.67,64.91 180.55,64.67 182.74,63.5 184.46,62.69 186.18,61.73 187.22,61.25 189.48,60.27 190.16,59.97 191.83,59.48 193,59.37 201.47,59.39 201.5,59.36 207.21,59.43 208.27,59.18 209.47,58.58 210.31,58.12 211.36,57.5 212.72,56.61 213.24,56.28 214.59,55.51 215.31,54.99 216.66,54.17 217.21,53.84 218.87,52.93 220.09,52.27 221.59,51.78 222.16,51.59 223.67,51.26 224.63,51.13 225.54,51.07 232.34,50.86 233.8,50.84 238.18,50.79 239.61,51.11 240.31,51.57 240.86,52.27 241.25,53.19 241.42,53.69 241.65,54.33 UW3.9
~{DATA5}: length 280.7
  Top w0.15: J2.57 80.66,113.28 81.65,113.28 82.29,112.96 v1(83.15,112.5) 83.16,112.46 ; 240.65,56.67 240.63,56.69 ; 240.63,56.69 240.65,54.68 240.47,53.08 240.26,52.21 240.21,51.46 239.93,50.43 UW3.5 ; 240.63,56.69 240.51,59.22 240.83,61.21 241.17,62.57 241.7,63.82 241.9,65.22 241.52,67.12 241.21,67.98 241.04,69.13 240.57,71.68 240.57,76.26 240.52,77.57 240.6,79.48 240.64,80.68 240.68,80.15 240.84,82.67 241.13,84 241.15,84.97 241.31,85.79 241.48,87.21 241.85,88.4 241.92,89.52 241.58,90.66 240.81,93.14 240.74,93.59 240.49,96.4 240.7,98.64 240.48,102.74 240.65,104.55 240.99,105.61 241.3,106.62 241.66,107.29 UT3.6 241.59,110.11 241.26,111 240.81,112.71 240.49,113.68 240.49,119.25 240.38,119.89 240.33,122.49 240.81,124.21 241.04,125.13 241.21,125.96 241.36,126.95 US3.6
  Bottom w0.15: UW3.5 238.63,48.54 238.22,48.91 237.51,49.47 237.02,49.68 236.09,49.69 224.55,49.64 222.03,49.77 221.12,50.08 219.15,51.13 217.32,52.23 216.37,52.81 214.11,54.23 213.1,54.8 212.07,55.38 210.04,56.63 208.7,57.54 206.46,58.3 204.92,58.4 204.41,58.45 198.44,58.16 192.68,58.19 191.07,58.45 189.17,59.26 188.25,59.68 186.65,60.44 185.54,61.02 184.75,61.46 183.02,62.3 181.57,63.07 180.77,63.46 179.14,63.9 177.97,64.03 174.63,64.55 173.68,64.63 172.98,64.93 172.02,65.43 171.21,66.2 170.1,67.47 168.96,69.31 167.47,71.57 166.83,72.46 165.88,73.58 165.29,74.26 164.34,75.2 162.71,75.71 160.55,75.72 158.59,75.72 157.19,75.75 153.09,75.73 140.49,75.7 137.87,75.71 123.56,75.62 122.42,75.57 121.18,75.6 107.64,75.37 105.09,75.37 103.49,75.33 102.67,75.29 101.41,75.46 99.73,76.07 98.68,76.76 97.65,77.86 96.88,79.11 96.48,79.87 95.64,81.3 94.7,82.85 93.03,85.72 92.53,86.47 91.56,87.93 90.92,89.22 89.57,91.4 88.73,92.54 87.4,94.64 86.32,96.02 85.55,96.8 84.92,97.3 84.04,98.44 83.87,99.88 83.83,102.56 83.84,102.93 83.73,107 83.87,109.02 84.04,109.89 83.7,111.19 83.29,111.91 v1(83.15,112.5)
~{DATA6}: length 276.4
  Top w0.15: 237.61,128.1 237.95,130.15 237.67,132.89 237.11,134 236.28,134.72 US3.11 ; 102.64,78.48 102.66,78.5 v1(102.57,78.5) 102.57,78.41 102.33,78.17 102.25,75.22 102.27,74.53 102.37,72.56 102.51,72.03 102.93,70.95 103.88,68.17 104.25,63.42 104.24,57.82 103.96,57.19 103.43,56.96 102.17,56.08 99.33,55.96 98.37,55.91 94.48,55.64 93.69,55.55 93.38,55.58 91.8,55.44 90.26,55.38 87.57,55.02 86.91,54.8 85.12,54.23 83.02,53.66 82.44,53.53 81.53,53.2 J2.95 ; 237.83,79.49 237.85,79.51 ; 237.85,79.51 237.79,78.67 237.72,77.65 237.61,76.99 237.63,76.39 237.56,75.82 237.44,75.14 237.26,74.52 237.11,73.92 UV3.11 237.55,71.06 237.82,70.48 237.95,69.87 238.06,69.33 238.12,65.19 238.07,63.61 238.01,62.42 237.82,61.31 237.7,60.48 237.61,59.77 237.49,59.1 237.28,58.28 237.07,57.38 236.92,56.89 236.94,56.73 UW3.11 ; 237.85,79.51 237.96,81.26 237.93,82.26 237.98,83.2 238.03,83.91 238.11,92.09 237.96,93.26 237.92,93.7 237.66,94.69 237.43,95.74 237.14,96.18 UU3.11 236.84,98.9 237.05,99.81 237.17,100.26 237.26,100.81 237.43,101.84 237.57,102.7 237.71,103.38 237.94,104.82 238.06,106.58 238.06,113.2 237.78,114.38 237.26,115.36 236.76,115.63 UT3.11 237.06,117.55 236.96,118.42 237.17,119.49 237.29,121.38 237.41,121.76 237.57,122.81 237.83,124.75 238.05,126.38 237.6,128.22
  Bottom w0.15: UW3.11 236.4,54.27 236.19,53.98 235.64,53.18 235.25,52.7 234.41,52.26 232.92,52.05 229.04,52.11 229.03,52.12 228.31,52.21 226.93,52.22 225.34,52.29 223.5,52.63 222.49,52.94 221.33,53.3 220.11,53.79 219.23,54.36 218.09,55.07 217.08,55.63 215.54,56.52 214.46,57.24 212.98,58.17 212.85,58.24 212.72,58.35 211.98,58.92 211.52,59.33 210.57,59.96 209.6,60.3 207.47,60.5 193.51,60.59 191.77,60.82 190.46,61.04 189.17,61.46 188.29,61.85 187.32,62.42 186.34,63.04 184.61,64.08 183.31,64.7 181.73,65.44 179.56,66.05 178.85,66.25 176.56,66.55 174.77,66.84 173.5,67.35 172.1,68.8 171.89,69.07 171.54,69.51 171.24,69.97 170.69,70.63 169.9,71.73 169.11,72.67 168.3,73.98 167.76,74.53 167.41,74.94 166.89,75.5 166.34,76.22 165.62,76.83 165.09,77.17 163.9,77.64 162.52,77.95 153.05,78.12 152.26,78.11 142.39,78.08 142.35,78.04 136.07,77.99 135.85,78 133.77,78 133.05,77.95 132.32,77.97 131.16,77.94 126.83,77.82 125.1,77.78 113.91,77.62 113.89,77.64 112.84,77.6 111.48,77.57 110.8,77.62 107.33,77.71 106.3,77.84 105.12,77.98 103.89,78.15 102.99,78.22 v1(102.57,78.5)
~{DATA7}: length 259.2
  Top w0.15: 82.68,115.38 82.67,115.38 v1(82.65,115.4) 82.63,115.38 81.33,115.69 80.86,115.79 80.36,116.29 J2.55 ; UW3.13 232.24,56.59 232.5,57.74 232.76,58.46 233.11,59.86 233.58,61.65 233.62,62.11 234.14,63.25 UV3.3 234.11,66.36 233.61,67.54 233.4,68.66 233.22,69.42 233.19,69.53 233.2,70.61 233.15,71.17 233.17,72.95 233.05,76.24 233.44,77.76 233.72,78.74 233.96,79.54 233.94,79.64 234.2,81.61 234.46,82.59 234.46,83.93 234.44,83.96 234.61,86.5 234.51,87.05 234.48,87.77 UU3.3 234.13,90.91 233.84,91.76 233.7,92.46 233.43,93.47 233.37,94.45 233.16,95.03 233.11,96.38 233.1,97.29 232.97,97.42 233.08,99.36 233.05,101.19 233.15,102.95 233.58,104.73 233.89,106.28 234.07,107.5 UT3.3 233.9,109.78 233.59,110.15 233.47,111.48 233.26,112.3 233.23,113.03 233.22,114.2 233.05,116.48 233.05,122.32 233.09,123.73 233.49,124.87 233.74,125.8 233.92,126.45 233.74,126.62 US3.3
  Bottom w0.15: 91.62,95.86 92.32,94.78 93.7,92.59 95,90.48 96.58,88.82 97.32,88.21 98.83,87.08 99.55,86.63 101.52,85.34 102.67,84.65 103.85,84.12 105.34,83.45 107.34,82.64 108.67,82.12 109.78,81.82 110.72,81.52 112.03,81.21 113.59,80.92 115.14,80.8 118.62,80.69 118.79,80.71 119.34,80.67 120.14,80.66 121.33,80.6 122.48,80.59 124.43,80.23 126.27,80.07 127.72,79.85 128.61,79.76 129.32,79.67 130.1,79.66 131.43,79.47 132.49,79.28 133.89,79.29 135.63,79.21 138.54,79.29 141.8,79.28 155.07,79.29 162.17,79.1 164.69,78.66 165.52,78.37 166.34,77.85 166.79,77.48 167.47,76.7 168.01,76.12 168.45,75.45 168.94,74.77 169.39,74.21 170.1,73.31 171.36,71.58 172.09,70.69 172.93,69.58 174.58,68.19 176.12,67.66 178.17,67.31 178.8,67.2 181.23,66.68 181.97,66.55 183.02,66.13 183.55,65.95 183.93,65.81 185.62,64.88 186.83,64.05 188.24,63.18 189.48,62.57 190.37,62.29 190.99,62.11 191.65,62.02 192.08,62.04 200.04,61.85 202.5,61.84 206.98,61.79 208.78,61.75 210.84,61.37 212.5,60.42 214.31,59.18 215.89,57.98 217.48,56.93 218.56,56.23 220.94,55.05 222.61,54.43 224.75,53.84 227.73,53.48 229.57,53.31 230.39,53.59 231.12,54.57 UW3.13 ; 91.7,95.78 91.08,96.55 90.19,97.27 88.91,98.05 87.72,99.38 87.25,100.16 87,101.86 87.21,102.47 87.73,103.58 88.3,104.85 88.48,105.85 88.19,107.26 87.48,108.75 86.81,110.01 86.32,110.79 85.73,112.03 85.07,113.2 84.44,114.12 83.08,114.73 v1(82.65,115.4)
~{DATA8}: length 151.2
  Top w0.15: v1(85.18,117.97) 85.33,117.1 85.38,115.19 85.5,114.78 85.39,112.88 85.22,112.03 85,111.25 84.5,110.75 84.24,110.47 83.69,110.17 83.1,110.11 v1(82.61,110.46)
  Top w0.25: US0.8 125.36,134.6 124.42,132.47 124.42,126.35 124.47,126.3 124.25,126.07 124.25,123.38 124.42,123.21 124.42,120.46 124.9,119.98 124.9,118.58 125.74,117.74 UT0.8 125.05,116.16 124.63,115.05 124.22,113.55 124.18,113.19 124.27,112.96 124.41,106.73 124.38,105.96 124.28,105.49 124.29,104.09 124.46,103.06 124.58,102.57 124.76,101.53 125,100.92 125.01,100.52 125.2,99.87 125.36,99.25 UU0.8 125.19,96.65 124.76,95.63 124.44,94.63 124.22,93.61 124.21,81.73 124.25,80.79 124.55,78.2 124.67,77.68 124.77,77.21 125.05,75.27 UV0.8 125,72.99 125.07,72.5 124,69.95 124.12,65.23 124.09,63.15 124.09,62.68 124.14,62.26 124.1,61.84 124.1,60.76 123.91,59.87 123.62,58.74 123.34,57.88 123.22,57.52 122.99,56.92 UW0.9
  Bottom w0.15: 125.06,137.12 123.98,138.07 122.72,138.33 118.74,138.2 110.67,138.1 109.34,138.14 107.83,137.34 105.72,133.9 105.1,132.55 103.34,129.2 100.32,123.39 99.02,122.02 98.37,121.16 96.65,119.79 94.91,118.97 92.31,118.05 90.91,117.73 87.96,117.44 86.55,117.64 v1(85.18,117.97) ; US0.8 125.3,136.81 124.91,137.28 ; v1(82.61,110.46) 82.53,110.38 82.01,109.88 J2.60
~{DATA9}: length 136.7
  Top w0.15: UW0.5 120.47,48.39 120.56,49.15 120.87,49.82 121.08,50.6 121.24,51.09 121.4,52.26 121.4,53.45 121.38,54.69 121.2,59.79 121.5,62.17 122.19,64.2 122.4,64.86 122.51,65.42 UV0.6 122.36,67.17 122.06,68 121.92,68.36 121.65,68.97 121.46,70.68 121.54,72.26 121.57,83.43 v1(121.68,83.71) 121.83,84.36 121.82,85.26 122.02,86.15 122.23,86.97 122.33,87.6 122.62,88.35 122.64,88.32 122.78,89.04 UU0.6 122.39,90.99 122.15,91.33 121.76,92.49 121.72,92.78 121.73,93.22 121.67,102.94 122.11,105.21 122.34,106.01 122.3,105.78 122.45,106.63 122.59,107.18 122.73,107.62 122.77,108.04 UT0.6 122.41,110.45 122.21,110.78 122.07,111.23 122.04,111.88 121.88,112.71 121.76,114.21 121.67,115.35 121.74,115.65 121.74,124.51 122.08,125.38 122.17,125.61 122.65,126.69 122.73,127.32 US0.6 ; 89.17,102.06 89.21,102.1 v1(89.06,102.1) 89.06,101.95 89.07,101.96 84.91,101.96 84.26,102.1 82.15,102.14 80.75,102.54 80.64,103.59 J2.63
  Bottom w0.15: v1(89.06,102.1) 89.5,101.04 91.05,99.94 92.02,99.35 93.59,98.17 94.6,97.32 95.45,96.59 96.66,95.37 96.93,95.12 100.16,92.06 100.92,91.32 101.59,90.72 104.19,88.25 104.97,87.62 107.73,85.38 109.09,84.48 111.07,83.54 112.79,82.99 114.23,82.72 117.11,82.75 119.07,82.8 119.77,82.84 120.65,82.94 v1(121.68,83.71)
~{DATA10}: length 157
  Top w0.15: J2.75 80.9,84.67 81.5,84.75 84.79,84.87 84.99,84.92 85.14,84.93 v1(87.2,84.91) 87.21,84.93 87.24,84.95
  Top w0.25: 116.71,77.94 116.56,86.3 116.5,87.78 116.62,89.59 116.59,92.41 116.58,92.42 116.64,93.72 116.73,93.89 116.68,94.4 117.19,95.7 117.72,96.87 UU0.11 117.76,98.62 117.28,99.44 116.91,100.63 116.7,102.1 116.64,102.95 116.61,102.98 116.61,104.22 116.73,105.83 116.71,110.8 116.62,111.83 116.65,112.79 117.01,114.14 117.7,115.64 UT0.11 117.57,118.14 117.03,119.17 116.77,119.6 116.79,121.24 116.7,121.97 116.76,123.62 116.8,127.39 116.8,130.33 116.86,132.17 117.02,132.83 117.13,133.12 117.58,134.75 118.17,134.9 US0.11 ; 116.71,77.94 116.7,77.92 ; 116.71,77.94 116.76,77.19 116.94,76.08 117.36,74.81 UV0.11 118.07,72.31 118.54,71.26 118.76,69.64 118.82,68.65 119.12,66.62 118.7,63.32 118.6,62.57 118.45,62 118.28,60.62 118.18,59.91 118.13,59.16 118,58.54 117.91,58.03 117.73,57.22 UW0.11
  Bottom w0.15: UT0.11 118.81,115.72 119.39,115.35 119.93,115 120.86,114.68 125.5,114.65 127.64,115.61 129.65,116.42 130.48,116.62 130.8,116.68 v1(131.53,116.72) 131.79,116.72 ; UW0.11 117.21,54.33 116.55,53.75 115.75,53.31 113.46,52.87 111.34,52.8 109.37,52.81 107.66,53.22 105.97,54.45 104.99,55.87 102.2,59.78 100.74,61.92 99.53,63.64 98.35,65.1 96.81,67.44 95.89,68.84 95.46,69.59 94.67,70.82 93.19,73.17 92.42,74.52 91.74,75.74 90.97,77.05 90.05,78.8 89.33,80.11 88.14,82.31 87.43,83.81 v1(87.2,84.91)
~{DATA11}: length 173.6
  Top w0.15: UW0.13 112.7,57.02 112.88,57.75 113.05,58.28 113.22,58.69 113.25,59.12 113.6,60.28 114.13,62.19 114.35,62.78 114.54,63.73 114.95,64.68 UV0.3 114.49,67.26 114.25,68.23 114.14,69.36 114.1,70.51 114.04,71.09 114.02,71.48 113.96,71.83 113.96,79.72 v1(113.93,79.74) 113.96,79.77 113.96,79.81 113.92,79.85 113.92,80.76 114.07,81.16 114.27,82.28 114.26,82.8 114.35,83.54 114.59,84.76 114.65,85.37 114.75,86.42 114.9,87.8 115.13,88.84 UU0.3 114.85,91.13 114.68,91.61 114.48,92.25 114.35,92.84 114.25,93.21 114.17,93.73 114.18,94.37 114.1,95.14 114,102.78 114.46,105.08 114.53,105.63 115.02,107.08 115.33,107.95 UT0.3 115.58,109.81 114.89,110.5 114.91,110.52 114.54,111.73 114.14,113.66 114.11,121 114.12,123.01 114.34,124.31 114.7,125.24 114.86,125.7 115.12,126.55 115.49,127.04 US0.3
  Bottom w0.15: J2.58 80.54,113.35 81.02,113.41 82.16,113.5 82.69,113.53 83.38,113.42 84.2,112.94 84.71,111.95 85.27,110.7 85.91,109.45 85.88,109.6 85.99,109.28 86.47,108.45 86.91,107.47 87.06,106.99 87.17,105.92 86.87,104.65 86.43,103.61 86.15,103.04 85.93,102.07 85.95,101.57 85.96,100.99 86.01,100.21 86.08,99.71 86.69,98.43 87.07,98.03 87.71,97.21 88.01,96.91 88.6,96.31 89.65,95.07 90.49,93.89 91.31,92.64 92.13,91.53 93.08,90.22 94.06,88.97 95.5,87.12 96.39,86.07 98.73,83.38 100.45,82.2 101.85,81.7 102.97,81.37 104.15,81.1 105.63,80.78 106.7,80.56 107.84,80.32 108.81,80.1 110,79.94 111.73,79.66 112.45,79.65 113.19,79.62 v1(113.93,79.74) ; UT1.3 153.08,107.86 152.86,107.41 152.34,106.82 150.9,106.09 149.54,106.02 147.79,106.04 144.64,106.22 143.37,106.44 141.38,106.81 139.97,107.01 135.56,107.73 133.66,108.09 130.93,108.94 129.46,109.45 127.42,110.38 125.87,110.83 119.8,110.87 119.78,110.85 117.61,110.75 116.34,110.14 UT0.3
~{DATA12}: length 197.4
  Top w0.15: J2.59 80.12,109.94 81.4,108.83 83.19,108.63 84.06,108.76 84.6,109.06 85.22,109.51 85.67,109.99 85.93,110.37 86.44,111.77 86.82,115.62 86.77,116.13 86.7,116.77 86.62,117.93 86.32,118.93 86.08,119.24 85.81,119.88 85.27,120.51 85.18,120.63 v1(84.43,121.29) 84.43,121.38 84.5,121.31
  Top w0.25: UR0.8 124.63,156.72 124.38,159.8 124.38,166.53 UP0.8 124.6,178.38 124.28,181.5 124.31,192.63 UN0.9 123,197.09 124.6,198.47 125.85,199.45 127.96,201.05 129.28,202.94 129.34,205.97 129.3,209.17 129.61,210.47 129.93,211.19 UM0.8 130.06,214.74 129.38,217.05 129.44,223.85 129.41,226.03 UL0.8
  Bottom w0.15: v1(84.43,121.29) 85.44,121.29 86.62,122.07 87.76,123.58 88.07,124.11 88.64,125.33 89.61,129.06 89.91,130.16 90.89,132.31 92.28,134.46 93.05,135.63 94.26,137.21 94.92,138.16 95.97,139.38 99.01,142.95 100.25,144.42 101.61,146.05 103.31,149.87 103.95,151.31 105.46,154.18 106.3,155.05 106.91,155.44 107.59,155.81 109.05,156.12 111.77,156.18 119.07,155.89 121.2,155.87 123.37,155.44 124.67,154.54 125.48,153.5 UR0.8 ; UP1.11 155.39,168.9 154.78,168.5 154.08,168.05 148.26,168.15 147.17,168.25 144.83,168.52 142.85,169.43 140.7,170.15 140.12,170.33 138.96,170.32 135.89,170.4 134.25,170.37 132.65,170.34 128.48,170.3 126.39,170.33 UP0.8
~{DATA13}: length 153.7
  Top w0.15: v1(82.61,103.62) 82.84,103.39 84.59,103.48 85.06,103.58 85.34,103.77 85.29,103.72 86.07,103.89 87.14,104.6 87.51,105.02 87.51,105.09 87.9,105.56 88.21,106.17 88.32,106.85 88.56,107.47 88.76,108.86 88.81,113.17 88.88,114.36 88.74,116.86 88.82,118.22 88.96,118.91 v1(88.93,119.3)
  Top w0.25: UL0.6 127.71,218.98 126.74,215.31 126.8,209.48 126.96,208.67 127.26,207.24 127.92,205.6 UM0.6 127.41,202.25 122.41,197.81 122.18,197.51 121.87,196.71 121.58,190.7 120.82,188.92 UN0.5 121.69,183.65 121.99,180.62 121.88,165.49 122.45,164.11 UP0.6 122.41,158.89 121.8,156.12 121.83,156.09 121.83,149.05 122.14,147.26 UR0.6
  Bottom w0.15: J2.64 81.21,103.17 82,103.24 ; 82,103.24 82.1,103.25 ; 82,103.24 82.23,103.24 v1(82.61,103.62) ; 122.58,143.1 121.95,142.5 120.71,141.95 118.04,141.3 113.98,141.24 110.68,141.24 109.15,140.95 108.44,140.67 107.61,140.19 106.64,139.08 105.52,136.14 103.16,131.13 102.17,129.15 100.16,125.38 97.05,122.04 95.07,120.75 92.04,119.63 v1(88.93,119.3) ; 122.64,143.14 123.05,143.61 UR0.6
~{DATA14}: length 161.4
  Top w0.25: UL0.11 122.33,226.39 122.01,224.6 121.78,222.58 121.88,216.23 122.35,214.94 122.65,213.55 122.84,213.36 UM0.11 122.18,210.61 121.91,210.04 121.68,209.66 121.72,203.05 121.71,203.04 121.11,201.12 118.05,196.79 UN0.11 117.35,193.48 116.83,191.72 116.68,189.05 116.79,179.98 116.85,179.92 116.95,174.37 118,170.86 UP0.11 116.88,167.7 116.9,157.87 117.03,157.32 117.2,155.72 117.9,153.96 UR0.11
  Bottom w0.15: UP0.11 118.4,169.26 119.27,168.53 120.9,168.04 123,167.76 126.45,167.11 ; UR0.11 117.51,153.95 115.85,154.95 115.08,155.04 113.41,155.06 110.83,155.06 108.93,154.57 107.5,153.98 105.55,150.97 103.99,147.89 102.89,146.13 101.87,144.39 98.75,140.74 95,136.24 93.62,134.37 91.61,131.46 90.78,129.17 90.22,126.6 89.76,125.38 89.45,124.26 87.93,121.85 86.35,120.18 84.75,119.48 83.75,119.03 82.7,118.41 80.48,116.29 J2.56 ; 126.45,167.11 126.71,167.11 126.74,167.14 ; 126.45,167.11 131.08,167.11 132.33,167.2 133.37,167.23 JP7.1
